# KiCad board rabbit_mask_capacitors.kicad_pcb (continued)
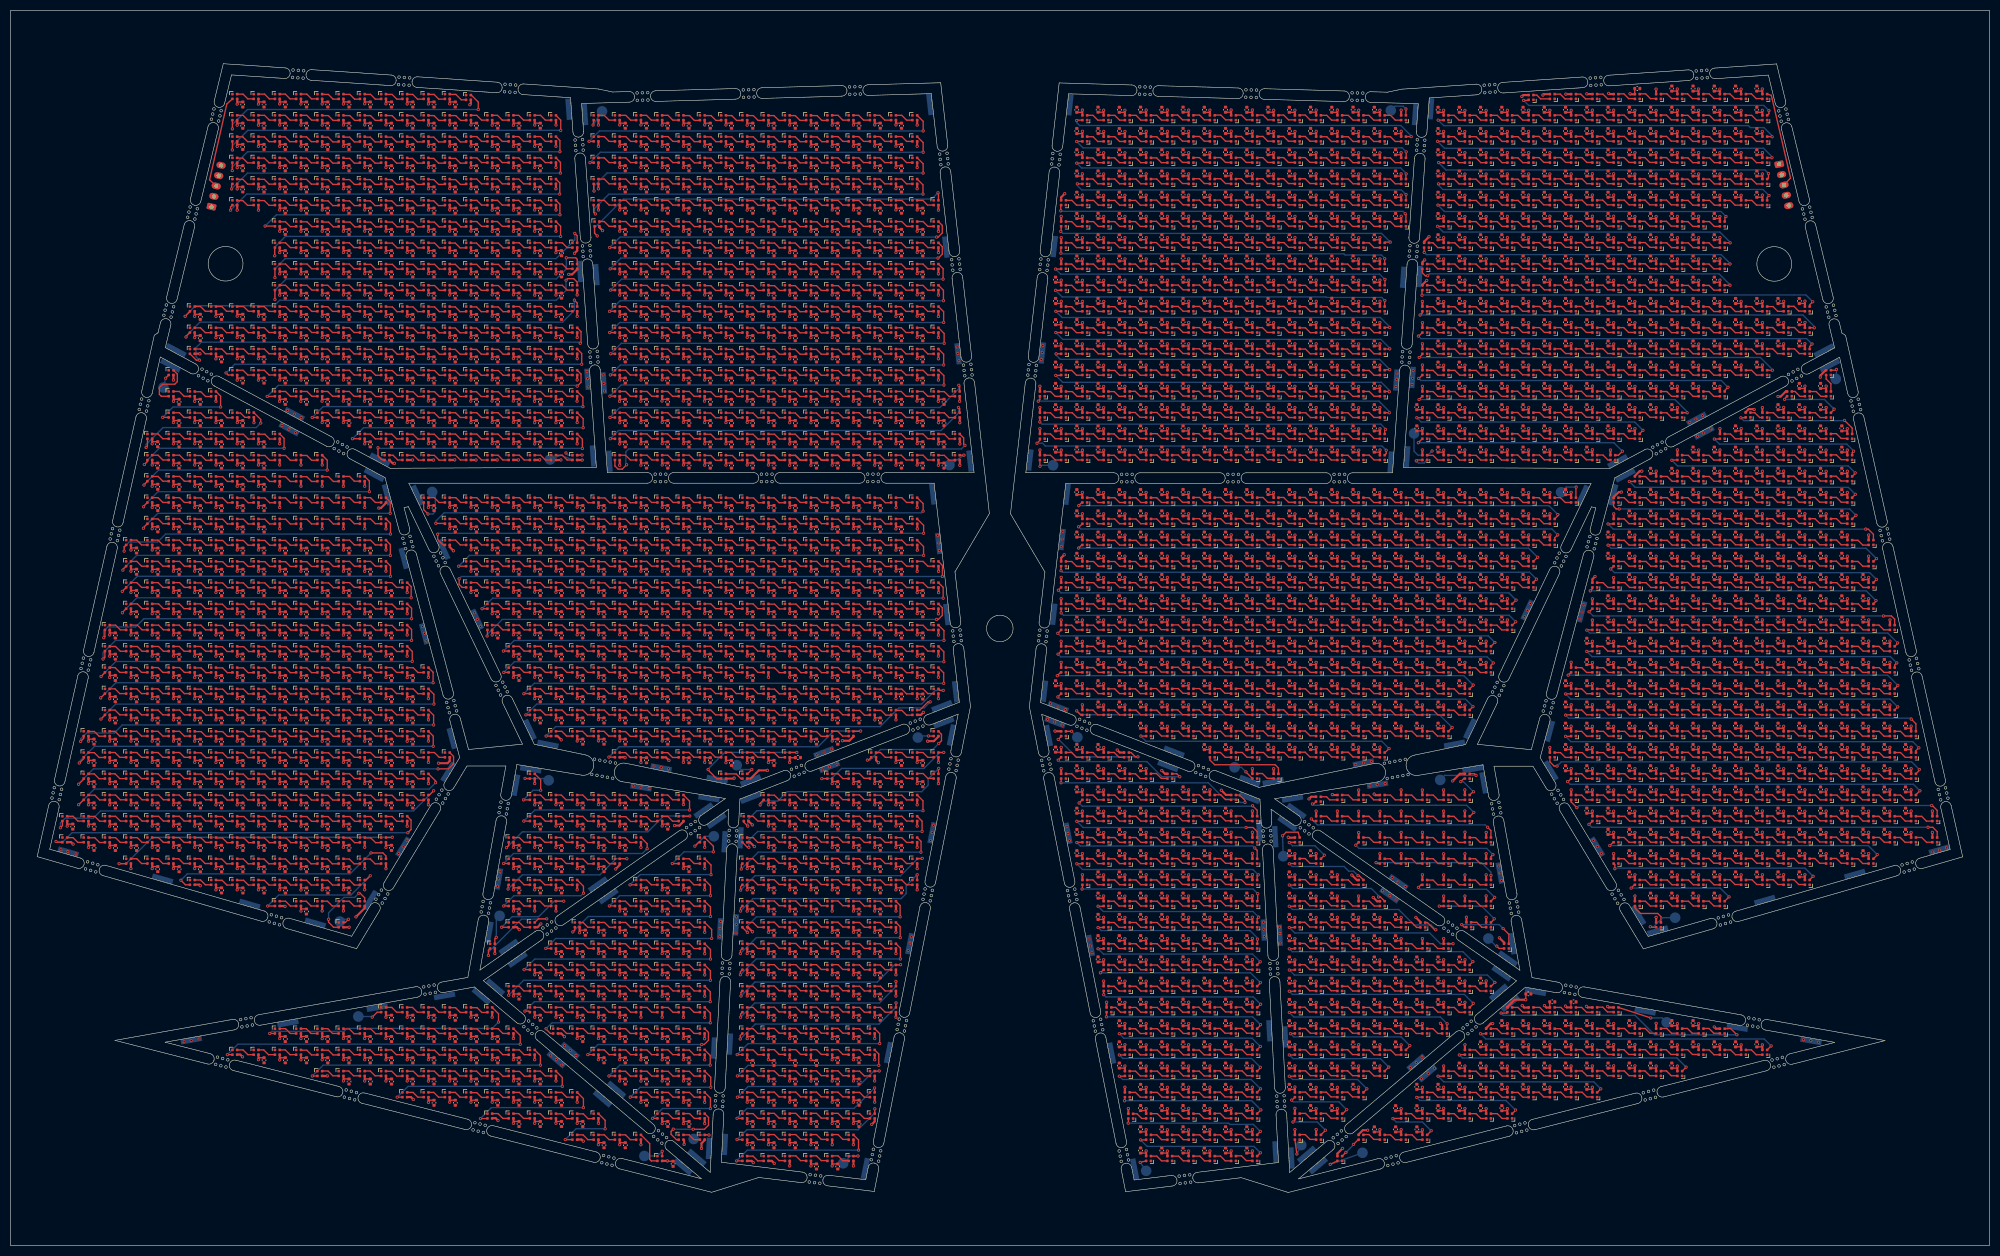
[diagram p0: board, top side]
## Routing (per net, layer and track width the routed paths; a pad name or vN(x,y) marks a point on that pad's centre or on a via; arc(x,y) is an arc through that point) (continued)

## Copper pours and planes (outline as drawn; the poured copper is in the pictures)
GND on Top: 89.02,49.85 135.17,82.14 131.68,13.76
GND on Top: 283.45,49.8 237.3,82.09 240.79,13.71
GND on Top: 297.49,143.47 198.64,143.49 193.89,102.21 234.99,86.21 273.89,94.31
GND on Top: 29.2,38.25 87.29,48.66 129.95,12.58
GND on Top: 95.31,90.54 134.49,84.14 88.37,51.84
GND on Top: 28.18,167.28 70.49,144.58 84.53,91.86 64.18,58.21 7.37,74.62
GND on Top: 330.86,220.37 267.06,216.08 262.22,146.48 301.03,146.29 343.33,169.04
GND on Top: 112.33,145.55 107.48,215.03 173.28,216.9 181.36,145.53
GND on Top: 41.61,220.42 105.41,216.13 110.25,146.53 71.44,146.34 29.14,169.09
GND on Top: 74.98,143.52 173.83,143.54 178.58,102.26 137.48,86.26 98.58,94.36
GND on Top: 343.27,38.2 285.18,48.61 242.52,12.53
GND on Top: 277.16,90.49 237.98,84.09 284.1,51.79
GND on Top: 260.14,145.5 264.99,214.98 199.19,216.85 191.11,145.48
GND on Top: 137.29,84.04 178.35,100.04 160.96,12.36 133.8,15.66
GND on Top: 235.18,83.99 194.12,99.99 211.51,12.31 238.67,15.61
GND on Top: 344.29,167.23 301.98,144.53 287.94,91.81 308.29,58.16 365.1,74.57
VCC on Bottom: 112.28,145.56 107.43,215.04 173.23,216.91 181.31,145.54
VCC on Bottom: 297.5,143.5 198.65,143.52 193.9,102.24 235,86.24 273.9,94.34
VCC on Bottom: 344.29,167.25 301.98,144.55 287.94,91.83 308.29,58.18 365.1,74.59
VCC on Bottom: 260.18,145.52 265.03,215 199.23,216.87 191.15,145.5
VCC on Bottom: 29.18,38.29 87.27,48.7 129.93,12.62
VCC on Bottom: 330.85,220.38 267.05,216.09 262.21,146.49 301.02,146.3 343.32,169.05
VCC on Bottom: 74.95,143.54 173.8,143.56 178.55,102.28 137.45,86.28 98.55,94.38
VCC on Bottom: 343.28,38.25 285.19,48.66 242.53,12.58
VCC on Bottom: 95.31,90.55 134.49,84.15 88.37,51.85
VCC on Bottom: 283.45,49.83 237.3,82.12 240.79,13.74
VCC on Bottom: 235.16,84.01 194.1,100.01 211.49,12.33 238.65,15.63
VCC on Bottom: 41.61,220.42 105.41,216.13 110.25,146.53 71.44,146.34 29.14,169.09
VCC on Bottom: 137.29,84.04 178.35,100.04 160.96,12.36 133.8,15.66
VCC on Bottom: 89.01,49.87 135.16,82.16 131.67,13.78
VCC on Bottom: 277.14,90.51 237.96,84.11 284.08,51.81
VCC on Bottom: 28.17,167.29 70.48,144.59 84.52,91.87 64.17,58.22 7.36,74.63

## Text on the board
B.Silkscreen: 3 | 1 | 6 | 5 | 7 | 4 | 2 | 8 | 9 | 16 | 10 | 12 | 15 | 13 | 14 | 11
